# Altium PCB SCCM.PcbDoc (part 1 of 2) (continued)
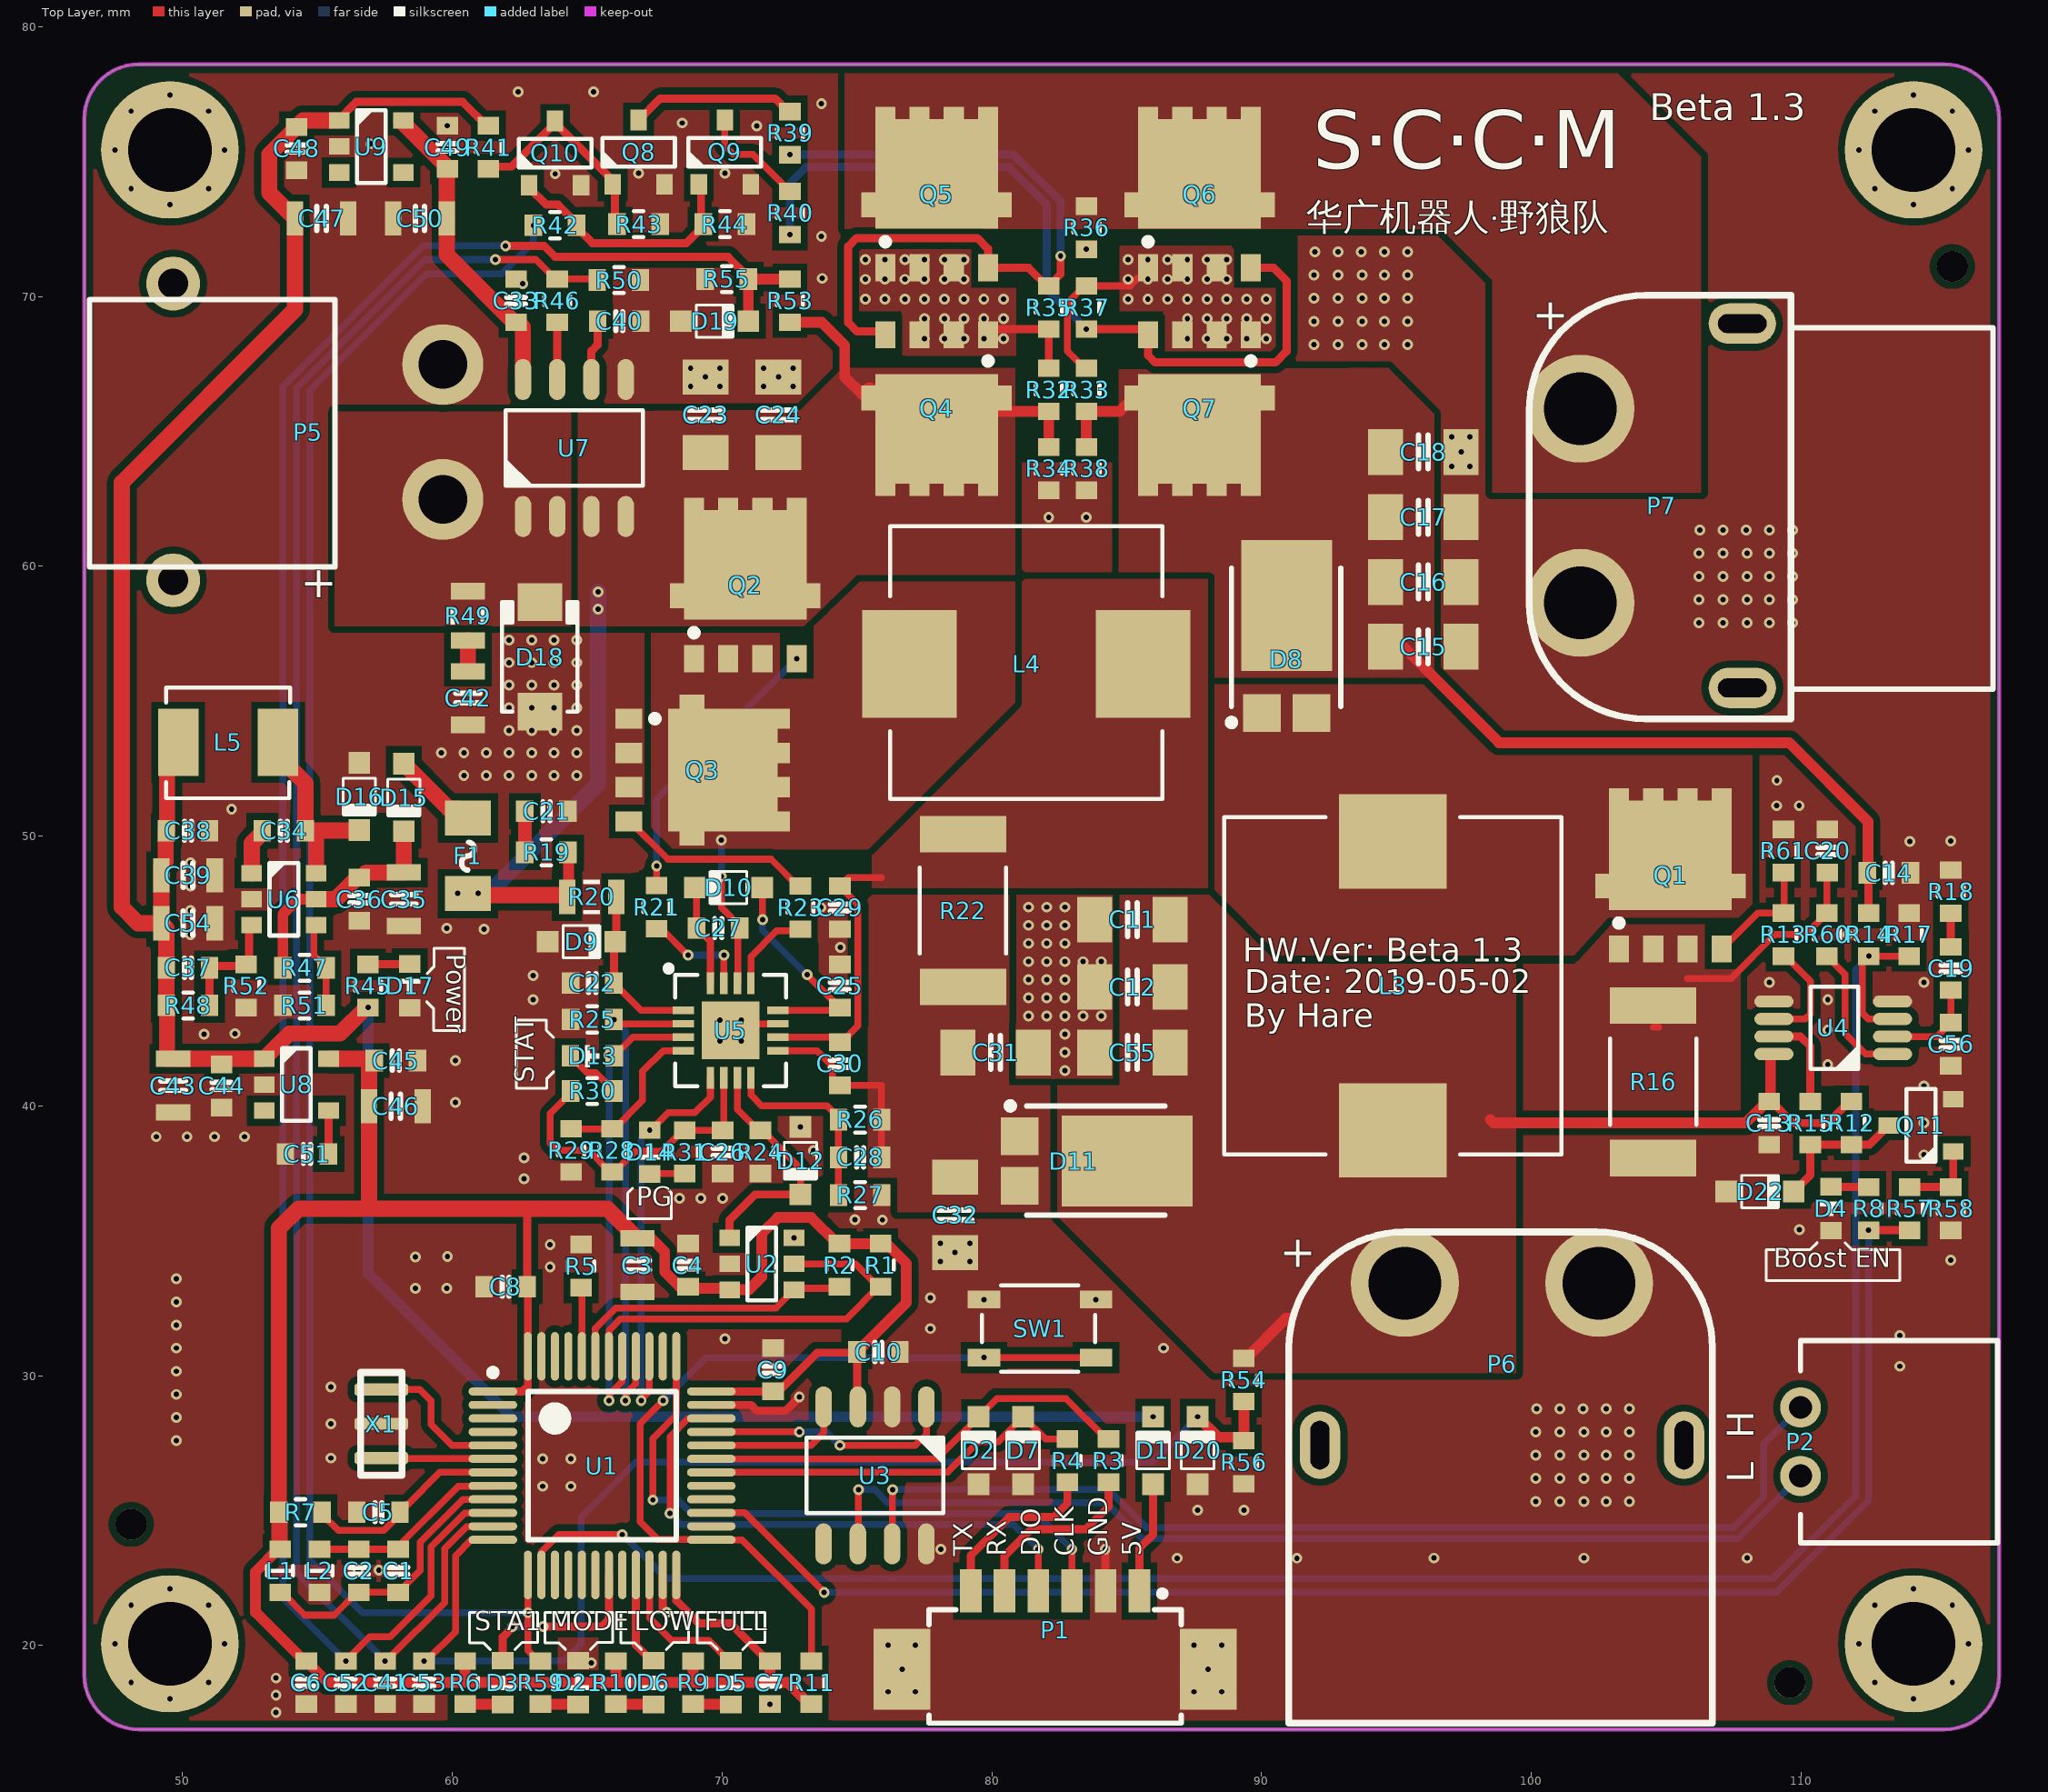
[diagram p0: Top Layer view]
## Components (designator, comment, footprint, x,y, rotation, side; value= is the part's Value field where it differs from the comment) (continued)
D5 "LED_G" LED_0603-L 70.328,18.629 r270 top
D6 "LED_R" LED_0603-L 67.459,18.629 r270 top
D7 "BZT52C3V9S" SOD_323 81.161,27.233 r270 top
D8 "SB1060L" POWERDI-5 90.932,57.39 r90 top
D9 "BZT52C27S WP" SOD_323 64.789,46.089 r180 top
D10 "B5819WS" SOD_323 70.237,48.097 r0 top
D11 "SR1045L" POWERDI-5 83.863,37.959 r0 top
D12 "MM3Z2V2" SOD_323 72.907,37.973 r90 top
D13 "LED_B" LED_0603-L 65.189,41.858 r180 top
D14 "LED_G" LED_0603-L 67.319,38.297 r270 top
D15 "B5819WS" SOD_323 58.202,51.435 r90 top
D16 "B5819WS" SOD_323 56.551,51.473 r90 top
D17 "LED_Power" LED_0603-L 58.42,44.45 r90 top
D18 "SMBJ28CA" DIODE_SMA 63.246,56.642 r270 top
D19 "BZT52C3V9S" SOD_323 69.723,69.088 r180 top
D20 "BZT52C3V9S" SOD_323 87.63,27.233 r270 top
D21 "LED_W" LED_0603-L 64.665,18.629 r270 top
D22 "BZT52C5V1S" SOD_323 108.478,36.83 r180 top
F1 "MF-NSMF012-2" FUSE_1206 60.579,49.273 r90 top
L1 "10uH" L-0603-L 53.615,22.771 r270 top
L2 "10uH" L-0603-L 55.076,22.771 r90 top
L3 "MHCC12050-6R8M" L-12560 94.869,44.45 r90 top
L4 "MHCC10040-3R3M-R7" L-10040 81.28,56.388 r0 top
L5 "MHCI04020-100M-R8" L-0420 51.689,53.481 r180 top
P1 "Molex-53261-0671" MOLEX-53261-0671 85.473,22.026 r0 top
P2 "XH_2" XH_2-SLEEP 109.982,27.559 r270 top locked
P5 "XT30PW_M" XT30PW-M 59.65,62.485 r90 top locked
P6 "XT60PW-F" XT60PW-M 102.514,33.432 r180 top locked
P7 "XT60PW-F" XT60PW-F 101.823,65.849 r270 top locked
Q1 "NCEP6080AG" DFN5X6 105.156,48.547 r90 top
Q2 "AON6504" DFN5X6 70.863,59.309 r90 top
Q3 "AON6504" DFN5X6 69.278,52.451 r0 top
Q4 "AON6407" DFN5X6 77.957,65.849 r270 top
Q5 "AON6407" DFN5X6 77.957,73.8 r90 top
Q6 "AON6407" DFN5X6 87.7,73.8 r90 top
Q7 "AON6407" DFN5X6 87.7,65.849 r270 top
Q8 "PMBT3904,215" SOT-23-3 66.908,75.352 r270 top
Q9 "PMBT3904,215" SOT-23-3 70.104,75.352 r270 top
Q10 "PMBT3904,215" SOT-23-3 63.809,75.32 r270 top
Q11 "Si2318" SOT-23-3 114.449,39.281 r0 top
R1 "4.7K" R-0603-L 75.876,34.099 r90 top
R2 "4.7K" R-0603-L 74.352,34.099 r90 top
R3 "100R" R-0603-L 84.328,26.852 r90 top
R4 "100R" R-0603-L 82.804,26.852 r90 top
R5 "10K" R-0603-L 64.774,34.065 r90 top
R6 "4.7K" R-0603-L 60.474,18.629 r270 top
R7 "10K" R-0603-L 54.37,24.942 r180 top
R8 "4.7K" R-0603-L 112.506,36.195 r90 top
R9 "4.7K" R-0603-L 68.93,18.629 r270 top
R10 "4.7K" R-0603-L 66.062,18.629 r270 top
R11 "10K" R-0603-L 73.31,18.629 r90 top
R12 "10K" R-0603-L 111.871,39.37 r270 top
R13 "4R7" R-0603-L 109.347,46.355 r270 top
R14 "18.2K" R-0603-L 112.514,46.355 r90 top
R15 "82.5K" R-0603-L 110.347,39.37 r90 top
R16 "3mR" R-2512-SMALL 104.521,40.894 r90 top
R17 "1K" R-0603-L 114.005,46.355 r270 top
R18 "715R" R-0603-L 115.554,47.944 r270 top
R19 "2R" R-0603-L 63.488,49.403 r180 top
R20 "20R" R-0805-L 65.168,47.752 r0 top
R21 "0R" R-0603-L 67.573,47.371 r90 top
R22 "10mR" R-2512-SMALL 78.932,47.244 r270 top
R23 "0R" R-0603-L 72.907,47.354 r90 top
R24 "10K" R-0603-L 71.419,38.297 r90 top
R25 "10K" R-0603-L 65.189,43.208 r0 top
R26 "300K" R-0603-L 75.119,39.497 r0 top
R27 "33K" R-0603-L 75.119,36.697 r180 top
R28 "20K" R-0603-L 65.928,38.354 r270 top
R29 "20K" R-0603-L 64.404,38.354 r90 top
R30 "4.7K" R-0603-L 65.189,40.558 r0 top
R31 "4.7K" R-0603-L 68.619,38.297 r270 top
R32 "100K" R-0603-L 82.112,66.548 r270 top
R33 "100K" R-0603-L 83.509,66.548 r90 top
R34 "100K" R-0603-L 82.112,63.627 r90 top
R35 "10K" R-0603-L 82.112,69.596 r270 top
R36 "100K" R-0603-L 83.509,72.555 r90 top
R37 "10K" R-0603-L 83.509,69.596 r90 top
R38 "100K" R-0603-L 83.509,63.627 r90 top
R39 "10K" R-0603-L 72.519,76.061 r270 top
R40 "10K" R-0603-L 72.519,73.099 r270 top
R41 "4.7K" R-0603-L 61.341,75.535 r90 top
R42 "1K" R-0603-L 63.809,72.644 r0 top
R43 "10K" R-0603-L 66.908,72.685 r0 top
R44 "10K" R-0603-L 70.104,72.685 r0 top
R45 "4.7K" R-0603-L 56.875,44.45 r270 top
R46 "2K" R-0603-L 63.89,69.85 r270 top
R47 "100K" R-0603-L 54.519,45.124 r180 top
R48 "124K" R-0603-L 50.201,43.727 r180 top
R49 "33R" R-0805-L 60.579,58.166 r90 top
R50 "3K" R-0603-L 66.176,70.612 r180 top
R51 "30K" R-0603-L 54.519,43.727 r0 top
R52 "22K" R-0603-L 52.36,44.45 r90 top
R53 "20K" R-0603-L 72.517,69.85 r270 top
R54 "20K" R-0603-L 89.344,29.845 r90 top
R55 "2K" R-0603-L 70.173,70.65 r0 top
R56 "2K" R-0603-L 89.344,26.797 r90 top
R57 "1K" R-0603-L 114.03,36.195 r270 top
R58 "10K" R-0603-L 115.554,36.195 r90 top
R59 "4.7K" R-0603-L 63.268,18.629 r270 top
R60 "97R6" R-0603-L 110.96,46.355 r270 top
R61 "10K" R-0603-L 109.347,49.454 r270 top
SW1 "SW_USER" KEY-4P-4.2*3.4*2.5 81.788,31.75 r0 top
U1 "STM32F103C8T6" LQFP48_N 65.554,26.67 r270 top
U2 "MCP4725" SOT-23-6 71.474,34.15 r180 top
U3 "SN65HVD230DR" SOIC_8 75.671,26.309 r180 top
U4 "LM3488" MSOP_E120_P0.5_10 111.236,42.926 r90 top
U5 "BQ24640" VQFN16N 70.319,42.797 r0 top
U6 "MP2456" SOT-23-6 53.757,47.664 r180 top
U7 "ACS712ELCTR-20A" SOIC_8 64.525,64.389 r0 top
U8 "RT9193-33GB" SOT-23-5 54.222,40.793 r180 top
U9 "TPS70950DBVR" SOT-23-5 56.998,75.565 r180 top
X1 "8MHz" CSTCE_G(A)村田晶振 57.368,28.22 r90 top

## Footprints (in the part's own frame and the unit in brackets; to place one, negate y for a bottom-side part, rotate by r counter-clockwise, add the part's x,y. Pads: shape width x height; smd on the part's side, far side on the other; paste and mask are expansions set on the pad)
CAP-0603-L [mm]
  rect 0.65x0.8 smd: 1(-0.8,0) 2(0.8,0)
  silkscreen extent -0.13,-0.35 0.13,0.35, body extent -0.8,-0.4 0.8,0.4, height 0.8
CAP-0805-L [mil]
  rect 24x50 smd: 1(-39,0) 2(39,0)
  silkscreen extent -7,-18 7,18, body extent -39,-25 39,25, height 39
CAP-1206-L [mm] "Chip Capacitor, 2-Leads, Body 3.20x1.60mm, IPC Medium Density"
  rect 1.3x1.7 smd: 1(-1.4,0) 2(1.4,0)
  silkscreen extent -0.18,-0.63 0.18,0.63, body extent -1.7,-0.9 1.7,0.9, height 0.5
CSTCE_G(A)村田晶振 [mm]
  rrect50% 0.45x2 smd: 1(1.27,0) 2(0,0) 3(-1.27,0)
  silkscreen extent -1.91,-0.76 1.91,0.76, body extent -1.9,-0.8 1.9,0.8, height 1
DFN5X6 [mm]
  rect 1x0.75 smd: 1(-2.73,1.905) 2(-2.73,0.635) 3(-2.73,-0.635) 4(-2.73,-1.905) 5(2.73,-1.905) 5(2.73,-0.635) 5(2.73,0.635) 5(2.73,1.905)
  rect 0.92x0.905 smd: 5(-0.394,2.337) 5(-0.394,-2.337)
  rect 4.055x4.56 smd: 5(0.749,0)
  silkscreen extent -1.89,1.78 -1.64,2.03, body extent -3.08,-2.57 3.07,2.58, height 1.12
DIODE_SMA [mil]
  rect 55x65 smd: 1(79.98,0) 2(-80.02,0)
  silkscreen extent -80,-55 80,55, body extent -98,-53 98,53, height 85
FUSE_1206 [mm]
  rect 1.3x1.7 smd: 1(-1.4,0) 2(1.4,0)
  silkscreen extent -0.53,-0.23 0.51,0.23, body extent -1.6,-0.8 1.6,0.8, height 1.01
KEY-4P-4.2*3.4*2.5 [mm] "SKRPABE010"
  rect 1.2x0.65 smd: 1(-2.075,1.075) 1(2.075,1.075) 2(-2.075,-1.075) 2(2.075,-1.075)
  silkscreen extent -2.15,-1.6 2.05,1.6, body extent -2.35,-1.6 2.25,1.6, height 2.5
L-0420 [mm] "4.1*4.6*2MM(长*宽*高)"
  rect 1.5x2.5 smd: 1(-1.85,0) 2(1.85,0)
  silkscreen extent -2.3,-2.02 2.3,2.07, body extent -2.28,-2.02 2.3,2.07, height 2
L-0603-L [mm]
  rect 0.65x0.8 smd: 1(-0.8,0) 2(0.8,0)
  silkscreen extent -0.18,-0.48 0.18,0.48, body extent -0.8,-0.4 0.8,0.4, height 0.45
L-10040 [mm] "10.1*11.6*4.0MM(长*宽*高)"
  rect 3.5x4 smd: 1(-4.326,0) 2(4.326,0)
  silkscreen extent -5.05,-5 5.05,5.1, body extent -5,-5 5,5.08, height 4
L-12560 [mm] "12.5*12.8*6.0MM(长*宽*高)"
  rect 3.5x4 smd: 1(-5.35,0) 2(5.35,0)
  silkscreen extent -6.25,-6.25 6.25,6.25, body extent -6.25,-6.25 6.25,6.25, height 6
LED_0603-L [mm]
  rect 0.65x0.8 smd: 1(0.813,0) 2(-0.813,0)
  silkscreen extent -0.25,-0.39 0.25,0.39, body extent -0.81,-0.4 0.81,0.4, height 0.6
LQFP48_N [mm] "QFP, 48-Leads, Body 7x7mm, Pitch 0.5mm, IPC Medium Density"
  oval 0.3x1.8 smd: 1(-2.75,-4.05) 2(-2.25,-4.05) 3(-1.75,-4.05) 4(-1.25,-4.05) 5(-0.75,-4.05) 6(-0.25,-4.05) 7(0.25,-4.05) 8(0.75,-4.05) 9(1.25,-4.05) 10(1.75,-4.05) 11(2.25,-4.05) 12(2.75,-4.05) 25(2.75,4.05) 26(2.25,4.05) 27(1.75,4.05) 28(1.25,4.05) 29(0.75,4.05) 30(0.25,4.05) 31(-0.25,4.05) 32(-0.75,4.05) 33(-1.25,4.05) 34(-1.75,4.05) 35(-2.25,4.05) 36(-2.75,4.05)
  oval 1.8x0.3 smd: 13(4.05,-2.75) 14(4.05,-2.25) 15(4.05,-1.75) 16(4.05,-1.25) 17(4.05,-0.75) 18(4.05,-0.25) 19(4.05,0.25) 20(4.05,0.75) 21(4.05,1.25) 22(4.05,1.75) 23(4.05,2.25) 24(4.05,2.75) 37(-4.05,2.75) 38(-4.05,2.25) 39(-4.05,1.75) 40(-4.05,1.25) 41(-4.05,0.75) 42(-4.05,0.25) 43(-4.05,-0.25) 44(-4.05,-0.75) 45(-4.05,-1.25) 46(-4.05,-1.75) 47(-4.05,-2.25) 48(-4.05,-2.75)
  silkscreen extent -3.57,-4.17 2.75,2.75, body extent -3.5,-3.5 3.5,3.5, height 1.6
MOLEX-53261-0671 [mm] "卧式1.25mm Pitch PicoBlade Header"
  rect 0.8x1.6 smd: 1(0,0) 2(-1.25,0) 3(-2.5,0) 4(-3.75,0) 5(-5,0) 6(-6.25,0)
  rect 2.1x3 smd: 7(-8.8,-2.9) 8(2.55,-2.9)
  silkscreen extent -7.8,-4.9 1.55,0, body extent -9.45,-4.94 3.2,0.26, height 3.4
MSOP_E120_P0.5_10 [mm]
  oval 0.45x1.45 smd: 1(-1,-2.159) 2(-0.35,-2.159) 3(0.3,-2.159) 4(0.95,-2.159) 5(0.95,2.241) 6(0.3,2.241) 7(-0.35,2.241) 8(-1,2.241)
  silkscreen extent -1.55,-0.89 1.5,0.89, body extent -1.52,-2.45 1.47,2.45, height 0.97
POWERDI-5 [mm]
  rect 1.4x1.39 smd: 1(-2.825,0.92) 2(-2.825,-0.92)
  rect 4.86x3.36 smd: 3(1.157,0)
  silkscreen extent -3.3,-2 2.55,2.17, body extent -3.3,-2.01 3.3,2.04, height 1.17
R-0603-L [mm]
  rect 0.65x0.8 smd: 1(-0.8,0) 2(0.8,0)
  silkscreen extent -0.18,-0.48 0.18,0.48, body extent -0.8,-0.4 0.8,0.4, height 0.45
R-0805-L [mil]
  rect 24x50 smd: 1(-36,0) 2(36,0)
  silkscreen extent -12,-24 12,24, body extent -39,-25 39,25, height 24
R-2512-SMALL [mm]
  rect 1.35x3.2 smd: 1(-2.825,0) 2(2.825,0)
  silkscreen extent -1.6,-1.6 1.6,1.6, body extent -3.17,-1.6 3.17,1.6, height 0.66
SOD_323 [mm]
  rect 0.8x0.8 smd: 1(1.25,0) 2(-1.25,0)
  silkscreen extent -0.72,-0.6 0.67,0.6, body extent -1.3,-0.68 1.3,0.68, height 1.1
SOIC_8 [mil]
  oval 24x60 smd: 1(-75,-100.02) 2(-25,-100.02) 3(25,-100.02) 4(75,-100.02) 5(75,99.98) 6(25,99.98) 7(-25,99.98) 8(-75,99.98)
  silkscreen extent -100,-55 100,55, body extent -96,-118 96,118, height 69
SOT-23-3 [mil]
  rect 30x24 smd: 1(47,-38) 2(47,38) 3(-47,0)
  silkscreen extent -21,-53 21,53, body extent -55,-57 55,57, height 51
SOT-23-5 [mil]
  rect 30x24 smd: 1(47,-38) 2(47,0) 3(47,38) 4(-47,38) 5(-47,-38)
  silkscreen extent -21,-53 21,53, body extent -55,-57 55,57, height 57
SOT-23-6 [mil]
  rect 30x24 smd: 1(47,-38) 2(47,0) 3(47,38) 4(-47,38) 5(-47,0) 6(-47,-38)
  silkscreen extent -21,-53 21,53, body extent -55,-57 55,57, height 57
VQFN16N [mm]
  rect 0.8x0.28 smd: 1(-1.75,0.75) 2(-1.75,0.25) 3(-1.75,-0.25) 4(-1.75,-0.75) 9(1.75,-0.75) 10(1.75,-0.25) 11(1.75,0.25) 12(1.75,0.75)
  rect 0.28x0.8 smd: 5(-0.75,-1.75) 6(-0.25,-1.75) 7(0.25,-1.75) 8(0.75,-1.75) 13(0.75,1.75) 14(0.25,1.75) 15(-0.25,1.75) 16(-0.75,1.75)
  rect 2.14x2.14 smd: 17(0,0)
  silkscreen extent -2.4,-2.06 2.06,2.4, body extent -1.75,-1.75 1.75,1.75, height 1
XH_2-SLEEP [mm]
  round 1.5 hole 0.85: 1(-1.27,0) 2(1.27,0)
  silkscreen extent -3.75,0 3.75,7.3, body extent -3.75,-0.34 3.75,7.3, height 5.95
XT30PW-M [mm]
  round 2 hole 1.1: 0(-3,10) 0(8,10)
  round 3 hole 1.8: 1(0,0) 2(5,0)
  silkscreen extent -2.5,4 7.4,13.1, body extent -4.2,-0.88 9.1,13.08, height 5.15
XT60PW-F [mm]
  oval 1.5x2.5 hole 0.7 slot 1.8 at 90 deg: 0(-3.15,6) 0(10.35,6)
  round 4 hole 2.7: 1(0,0) 2(7.2,0)
  silkscreen extent -4.2,-1.9 11.5,15.3, body extent -4.3,-1.95 11.6,15.35, height 8.45
XT60PW-M [mm]
  oval 1.5x2.5 hole 0.7 slot 1.8 at 90 deg: 0(-3.15,6) 0(10.35,6)
  round 4 hole 2.7: 1(7.2,0) 2(0,0)
  silkscreen extent -4.2,-1.9 11.5,16.3, body extent -4.3,-1.95 11.6,16.35, height 8.45

## Part data
C1 C2 C3 C4 C5 C6 C7 C8 C9 C10 C11 C12 C13 C14 C15 C16 C17 C18 C19 C20 C21 C22 C23 C24 C25 C26 C27 C28 C29 C30 C31 C32 C33 C34 C35 C36 C37 C38 C39 C40 C41 C42 C43 C44 C45 C46 C47 C48 C49 C50 C51 C52 C53 C54 C55 C56: library part CAP
D1 D10 D15 D16: library part Diode
D2 D7 D9 D12 D19 D20 D22: library part Diode_ZD
D3 D4 D5 D6 D13 D14 D17 D21: library part LED
D8 D11: library part Diode_1
D18: library part TVS_C
F1: library part Fuse
L1 L2 L3 L4 L5: library part Inductor, "电感"
P1: "1.25mm Pitch PicoBlade Header"
P5: library part XT30, "XT30"
P6 P7: library part XT60, "XT60"
Q1 Q2 Q3: library part MOS-N_1
Q4 Q5 Q6 Q7: library part MOS-P_1
Q8 Q9 Q10: library part BJT_NPN, "Transistor"
Q11: library part MOS-N
R1 R2 R3 R4 R5 R6 R7 R8 R9 R10 R11 R12 R13 R14 R15 R16 R17 R18 R19 R20 R21 R22 R23 R24 R25 R26 R27 R28 R29 R30 R31 R32 R33 R34 R35 R36 R37 R38 R39 R40 R41 R42 R43 R44 R45 R46 R47 R48 R49 R50 R51 R52 R53 R54 R55 R56 R57 R58 R59 R60 R61: library part Res
SW1: library part KEY
U1: "ARM Cortex-M3 32-bit MCU, 64 KB Flash, 20 KB Internal RAM, 37 I/Os, 48-pin LQFP, -40 to 85 degC, Tray", I/Os (High Current)=37, Operating Frequency(F) (Processor speed) (MHz)=72, Supplier Part Number 1=497-6063-ND, Supply Voltage(Vcc) min (V)=2, A/D Converter="2x12-bit (10 Channel)", ComponentLink1Description="Manufacturer URL", ComponentLink1URL=http://www.st.com/web/en/home.html, ComponentLink2Description=Datasheet, ComponentLink2URL=http://www.st.com/st-web-ui/static/active/en/resource/technical/document/datasheet/CD00161566.pdf, ComponentLink3Description="Package Specification", ComponentLink3URL=http://www.st.com/st-web-ui/static/active/en/resource/technical/document/datasheet/DM00058181.pdf, Core="ARM Cortex-M3", DatasheetVersion="Rev. 16", FLASH Size (Prog) (kB)=64, Internal RAM Size (kB)=20, Mounting Technology="Surface Mount", PackageDescription="48-Pin Low Profile Quad Flat Package, 7 x 7 mm Body, 0.5 mm Pitch", PackageReference=LQFP48, PackageVersion="Rev. 6, 06/2013", Packing=Tray, PartNumber=STM32F103C8T6, Supplier 1=Digi-Key, Supplier 2=Farnell, Supplier 3=Newark, Supplier 4=Newark, Supplier 5=Mouser, Supplier Part Number 2=1447637, Supplier Part Number 3=59M2182, Supplier Part Number 4=57P1222, Supplier Part Number 5=511-STM32F103C8T6
U2: "I2C 12bit DAC"
U3: "CANоƬ"
U4: "Automotive High-Efficiency Controller for Boost, SEPIC and Fly-Back DC-DCConverters"
U5: "用于超级电容器的高效同步开关模式电池充电控制器"
U7: library part ACS712ELCTR, "电流测量芯片"
U8: library part RT9193, "LDO"
U9: library part TPS709, "具有使能端的 150-mA 超低 Iq LDO"
X1: library part XTAL-3215

## Free pads (board coordinates)
  round 5.1 hole 3.1: 0(49.53,20.066) 0(49.53,75.438) 0(114.173,20.066) 0(114.173,75.438)
  round 1.152 hole 1.152 unplated paste+1.152 mask+0.148: 1(48.093,24.496) 1(109.585,18.629) 1(115.61,71.12)

## Via types
v1: diameter 0.4, hole 0.2, Top Layer to Bottom Layer, tented both sides, 414 vias
v2: diameter 0.5, hole 0.2, Top Layer to Bottom Layer, tented both sides, 4 vias

## Nets (pads, with @x,y where several pads share a name; then routed paths per layer and width w, separated by ;. In a path a pad name is that pad's centre, name@x,y a point inside that pad or via, vN(x,y) a via of type N, cw(c..) or ccw(c..) an arc to the next point about the centre after c; other vN are vias at no path point)
BAT_IAD: C41.2 R46.1 R50.2 U1.11 | length 69.2
  Top Layer w0.254: v1(57.508,19.429) 57.657,19.578 57.7,19.578 59.712,21.59 59.712,23.591 60.532,24.411 61.495,24.411 U1.11@61.504,24.42 ; v1(61.595,71.374) 63.091,71.374 63.815,70.65 65.337,70.65 R50.2@65.375,70.612
  Bottom Layer w0.254: v1(57.508,19.429) 54.229,22.708 54.229,66.612 58.991,71.374 v1(61.595,71.374)
BAT_VAD: C52.2 D19.2 R53.1 R55.2 U1.10 | length 80.1
  Top Layer w0.254: v1(56.051,19.429) 56.942,20.32 57.697,20.32 59.221,21.843 59.221,23.671 60.461,24.911 61.495,24.911 U1.10@61.504,24.92
  Top Layer w0.3: v1(61.976,71.882) 61.976,71.88 61.978,71.882 63.401,71.882 63.809,71.474 70.224,71.474 70.973,70.725 R55.2@70.973,70.65
  Top Layer w0.4: D19.2@70.973,69.088 R55.2@70.973,70.65 R53.1@72.517,70.65
  Bottom Layer w0.254: v1(56.051,19.429) 53.715,21.765 53.715,66.669 58.928,71.882 v1(61.976,71.882)
Boost_EN: R8.1 R57.2 U1.27 | length 57.1
  Top Layer w0.254: U1.27@69.604,24.92 70.838,24.92 v1(73.787,21.971)
  Top Layer w0.3: v1(112.506,35.395) R57.2@114.03,35.395
  Bottom Layer w0.254: v1(73.787,21.971) 109.093,21.971 112.506,25.384 v1(112.506,35.395)
BQ_EN: R25.2 U1.40 U5.2 | length 18.7
  Top Layer w0.254: v1(65.989,43.208) 66.15,43.047 U5.2@68.569,43.047 ; v1(66.421,29.083) 66.449,29.111 66.449,29.357 66.795,29.704 66.795,30.711 U1.40@66.804,30.72
  Bottom Layer w0.254: v1(65.989,43.208) 66.421,42.776 v1(66.421,29.083)
BQ_ISET: D12.2 R24.2 U2.1 U5.7 | length 9.1
  Top Layer w0.254: U5.7@70.569,41.047 70.569,39.872 71.344,39.097 R24.2@71.419,39.097 71.494,39.097 72.907,37.684 D12.2@72.907,36.723
  Top Layer w0.3: U2.1@70.28,35.115 70.28,35.779 71.224,36.723 D12.2@72.907,36.723
BQ_ISRN: C28.2 C30.1 C31.2 C32.2 D11.1 D11.2 R22.2 R26.2 U5.9 | length 7.3
  Top Layer w0.254: U5.9@72.069,42.047 73.523,42.047 74.093,41.477 74.093,40.965 74.291,40.767 C30.1@74.366,40.767 75.919,40.767 R26.2@75.919,39.497 C28.2@75.919,38.097
BQ_ISRP: C29.2 C30.2 L4.2 R22.1 U5.10 | length 10.4
  Top Layer w0.254: U5.10@72.069,42.547 74.187,42.547 C30.2@74.366,42.367 74.441,42.367 75.043,42.969 75.043,47.477 C29.2@74.366,48.154 74.677,48.465 75.919,48.465
BQ_PG: D14.2 U1.39 U5.5 | length 15.4
  Top Layer w0.254: v1(67,29.083) 67,29.123 67.304,29.426 U1.39@67.304,30.72 ; v1(67.319,39.11) 67.375,39.11 68.016,39.751 68.992,39.751 69.569,40.328 U5.5@69.569,41.047
  Bottom Layer w0.254: v1(67,29.083) 67,38.791 v1(67.319,39.11)
BQ_STAT: D13.2 U1.41 U5.3 | length 17.7
  Top Layer w0.254: v1(65.813,29.083) 65.841,29.111 65.841,29.321 66.295,29.775 66.295,30.711 U1.41@66.304,30.72 ; v1(65.813,41.883) 66.027,41.883 66.691,42.547 U5.3@68.569,42.547
  Bottom Layer w0.254: v1(65.813,29.083) v1(65.813,41.883)
BQ_TS_1V65: R28.1 R29.2 U5.4 | length 6
  Top Layer w0.254: R29.2@64.404,39.154 66.003,39.154 67.056,40.207 67.056,41.283 67.82,42.047 U5.4@68.569,42.047
BQ_VFB: C28.1 R26.1 R27.2 U5.8 | length 7.1
  Top Layer w0.254: U5.8@71.069,41.047 71.069,40.407 71.471,40.005 73.886,40.005 74.319,39.572 R26.1@74.319,39.497 C28.1@74.319,38.097 R27.2@74.319,36.697
BQ_VREF_3V3: C26.1 R28.2 R30.1 R31.1 U5.6 | length 11.7
  Top Layer w0.254: R30.1@64.389,40.558 64.389,40.483 63.627,39.721 63.627,38.608 63.881,38.354 65.053,38.354 65.853,37.554 R28.2@65.928,37.554 66.003,37.554 66.775,38.325 67.772,38.325 68.544,39.097 R31.1@68.619,39.097 C26.1@70.019,39.097 70.069,39.147 U5.6@70.069,41.047
CAN_H: P2.1 U3.7 | length 39.3
  Top Layer w0.254: U3.7@76.306,23.769 76.316,23.78 76.316,25.77 v1(76.327,25.781)
  Bottom Layer w0.254: v1(76.327,25.781) 84.328,25.781 85.733,24.376 107.498,24.376 108.621,25.499 108.621,27.468 P2.1@109.982,28.829
CAN_L: P2.2 U3.6 | length 38.7
  Top Layer w0.254: U3.6@75.036,23.769 75.046,23.78 75.046,25.77 v1(75.057,25.781)
  Bottom Layer w0.254: v1(75.057,25.781) 75.652,25.781 76.129,25.304 84.234,25.304 85.566,23.972 107.665,23.972 P2.2@109.982,26.289
CAN_RX: U1.32 U3.4 | length 5.3
  Top Layer w0.254: U1.32@69.604,27.42 73.301,27.42 73.766,27.885 U3.4@73.766,28.849
CAN_TX: U1.33 U3.1 | length 9.4
  Top Layer w0.254: U1.33@69.604,27.92 v1(72.864,27.92) ; v1(74.366,27.42) 77.166,27.42 77.576,27.83 U3.1@77.576,28.849
  Bottom Layer w0.254: v1(72.864,27.92) 73.866,27.92 v1(74.366,27.42)
CAP_VAD: C53.2 D20.2 R54.1 R56.2 U1.12 | length 44.8
  Top Layer w0.254: v1(58.95,19.429) 59.025,19.429 60.116,20.52 60.116,23.333 60.703,23.92 U1.12@61.504,23.92
  Top Layer w0.4: v1(87.63,28.483) 88.391,27.722 89.219,27.722 R56.2@89.344,27.597 R54.1@89.344,29.045
  Bottom Layer w0.254: v1(58.95,19.429) 64.137,19.429 64.77,20.062 64.77,24.762 66.805,26.797 85.944,26.797 v1(87.63,28.483)
GND: C3.1 C4.1 C5.1 C6.1 C7.1 C8.1 C9.1 C10.1 C11.1 C12.1 C13.1 C14.1 C15.1 C16.1 C17.1 C18.1 C20.1 C21.2 C22.2 C23.1 C24.1 C25.2 C26.2 C29.1 C31.1 C32.1 C33.2 C35.1 C36.1 C38.1 C39.1 C40.1 C41.1 C42.1 C43.1 C44.1 C45.1 C46.1 C47.1 C48.1 C49.1 C50.1 C51.1 C52.1 C53.1 C54.1 C55.1 C56.1 D2.1 D4.2 D7.1 D9.1 D12.1 D16.1 D17.2 D18.1 D19.1 D20.1 D21.2 D22.1 L2.1 P1.2 P1.7 P1.8 P5.2 P6.2 P7.2 Q3.1 Q3.2 Q3.3 Q8.2 Q9.2 Q10.2 Q11.2 R5.2 R16.1 R17.1 R18.1 R24.1 R25.1 R27.1 R29.1 R34.1 R36.1 R38.1 R43.2 R44.2 R50.1 R51.1 R52.1 R55.1 R56.1 R58.1 R61.1 SW1.1 U1.23 U1.35 U1.47 U2.2 U2.6 U3.2 U3.8 U4.4 U4.5 U5.11 U5.17 U6.2 U7.5 U8.2 U9.2 X1.2 | length 8.4
  Top Layer w0.254: U5.17@70.319,42.797 70.569,43.047 U5.11@72.069,43.047
  Top Layer w0.3: U1.23@67.804,22.62 67.804,21.402 67.945,21.261 v1(67.945,21.234) ; U1.35@69.604,28.92 71.069,28.92 71.287,28.702 72.356,28.702 v1(72.864,29.21) ; v1(84.201,23.571) 84.212,23.56 84.212,22.037 P1.2@84.223,22.026
  other v1: 53.467,17.526 71.777,17.829 53.467,18.161 76.153,18.288 77.169,18.288 87.503,18.288 88.519,18.288 53.467,18.796 76.673,19.126 88.023,19.126 65.151,19.354 76.153,20.022 77.169,20.022 87.503,20.022 88.519,20.022 56.515,22.786 57.277,22.794 86.868,23.241 91.313,23.241 96.393,23.244 101.947,23.244 107.997,23.244 78.105,23.571 87.63,25.019 89.344,25.019 100.169,25.346 101.058,25.346 101.947,25.346 102.774,25.346 103.632,25.346 63.352,25.905 64.389,25.905 100.169,26.204 101.058,26.204 101.947,26.204 102.774,26.204 103.632,26.204 63.352,26.92 64.389,26.924 55.499,26.95 100.169,27.062 101.058,27.062 101.947,27.062 102.774,27.062 103.632,27.062 49.776,27.594 100.169,27.92 101.058,27.92 101.947,27.92 102.774,27.92 103.632,27.92 55.499,28.22 49.776,28.452 100.2,28.778 101.058,28.778 101.916,28.778 102.774,28.778 103.632,28.778 49.776,29.31 55.499,29.591 49.776,30.168 113.665,30.353 49.776,31.026 86.362,31.026 70.104,31.369 113.665,31.496 77.724,31.75 49.776,31.884 49.776,32.742 79.713,32.825 83.863,32.825 77.724,32.893 58.636,33.242 59.792,33.242 49.776,33.6 63.627,34.036 78.1,34.242 79.191,34.242 115.554,34.29 58.636,34.407 59.82,34.417 78.638,34.569 63.627,34.865 78.1,34.915 79.191,34.915 72.667,35.115 109.944,35.42 75.946,35.779 74.93,35.785 68.428,36.576 69.215,36.576 70.028,36.576 62.658,37.3 62.658,38.076 114.554,38.189 73.397,38.354 49.022,38.862 50.165,38.862 51.181,38.862 52.297,38.862 72.907,39.223 114.554,39.37 60.116,40.132 114.554,40.749 82.71,41.311 110.993,41.529 60.116,41.682 82.71,41.985 50.8,42.658 82.71,42.658 51.943,42.685 110.993,42.815 81.363,43.331 82.037,43.331 82.71,43.331 83.383,43.331 84.057,43.331 62.992,43.942 110.993,43.942 81.363,44.005 82.037,44.005 82.71,44.005 108.823,44.577 114.554,44.577 81.363,44.678 82.037,44.678 82.71,44.678 62.992,44.831 81.363,45.351 82.037,45.351 82.71,45.351 83.383,45.351 84.057,45.351 74.385,45.885 81.363,46.024 82.037,46.024 82.71,46.024 50.292,46.355 111.735,46.355 61.176,46.554 59.792,46.585 81.363,46.698 82.037,46.698 82.71,46.698 50.292,47.244 73.66,47.356 81.363,47.371 82.037,47.371 82.71,47.371 50.292,48.154 50.292,49.022 114.03,49.8 115.554,49.823 51.816,51.003 109.093,51.13 109.931,51.13 109.105,52.07 60.429,52.249 61.266,52.249 62.103,52.249 62.94,52.249 63.777,52.249 64.614,52.249 59.592,53.086 60.429,53.086 61.266,53.086 62.103,53.086 62.94,53.086 63.777,53.086 64.614,53.086 62.103,53.923 62.94,53.923 63.777,53.923 64.614,53.923 62.103,54.76 62.94,54.76 63.777,54.76 64.614,54.76 62.103,55.597 62.94,55.597 63.777,55.597 64.614,55.597 62.103,56.434 62.94,56.434 63.777,56.434 64.614,56.434 62.103,57.271 62.94,57.271 63.777,57.271 64.614,57.271 106.219,57.912 107.108,57.912 107.997,57.912 108.824,57.912 109.682,57.912 106.219,58.77 107.108,58.77 107.997,58.77 108.824,58.77 109.682,58.77 106.219,59.628 107.108,59.628 107.997,59.628 108.824,59.628 109.682,59.628 106.219,60.486 107.108,60.486 107.997,60.486 108.824,60.486 109.682,60.486 106.25,61.344 107.108,61.344 107.966,61.344 108.824,61.344 109.682,61.344 82.112,61.822 83.509,61.822 97.052,63.704 97.725,63.704 97.398,64.242 97.052,64.795 97.725,64.795 68.834,66.675 69.925,66.675 71.537,66.675 72.628,66.675 69.387,67.021 72.09,67.021 68.834,67.348 69.925,67.348 71.537,67.348 72.628,67.348 91.948,68.226 92.837,68.226 93.726,68.226 94.553,68.226 95.411,68.226 91.948,69.084 92.837,69.084 93.726,69.084 94.553,69.084 95.411,69.084 91.948,69.942 92.837,69.942 93.726,69.942 94.553,69.942 95.411,69.942 62.611,70.485 73.712,70.675 91.948,70.8 92.837,70.8 93.726,70.8 94.553,70.8 95.411,70.8 91.979,71.658 92.837,71.658 93.695,71.658 94.553,71.658 95.411,71.658 83.509,71.755 73.687,72.236 63.815,74.549 66.908,74.57 70.104,74.57 56.972,75.663 59.817,76.335 71.293,76.327 68.527,76.438 73.687,77.149 62.44,77.597 65.238,77.597
  other v2: 69.925,42.403 70.713,42.403 69.925,43.191 70.713,43.191
I2C_SCL: R1.1 U1.42 U2.5 | length 15.1
  Top Layer w0.254: U1.42@65.804,30.72 65.813,30.729 65.813,31.691 66.229,32.108 74.61,32.108 75.801,33.299 74.951,34.15 U2.5@72.667,34.15
I2C_SDA: R2.1 U1.43 U2.4 | length 10.7
  Top Layer w0.254: U1.43@65.304,30.72 65.304,31.754 66.062,32.512 71.994,32.512 U2.4@72.667,33.185 72.725,33.242 74.295,33.242 R2.1@74.352,33.299
LED_CAPFULL: D5.2 U1.22 | length 5.3
  Top Layer w0.254: U1.22@67.304,22.62 67.313,22.611 67.313,21.012 68.131,20.193 69.502,20.193 70.253,19.442 D5.2@70.328,19.442
LED_CAPLOW: D6.2 U1.21 | length 3.5
  Top Layer w0.3: U1.21@66.804,22.62 66.804,20.022 67.384,19.442 D6.2@67.459,19.442